# Altium PCB Main_Board.PcbDoc (part 1 of 3)
Units mil, origin at the board's own origin, x right, y up, seen from the top; angles counter-clockwise.
Board outline 4645.67 x 5570.87 mil, 4 copper layers (Top Layer, Layer 1, Layer 4, Bottom Layer), stack 23.756 mil thick; 249 components, 164 nets, 753 pads, 452 vias.
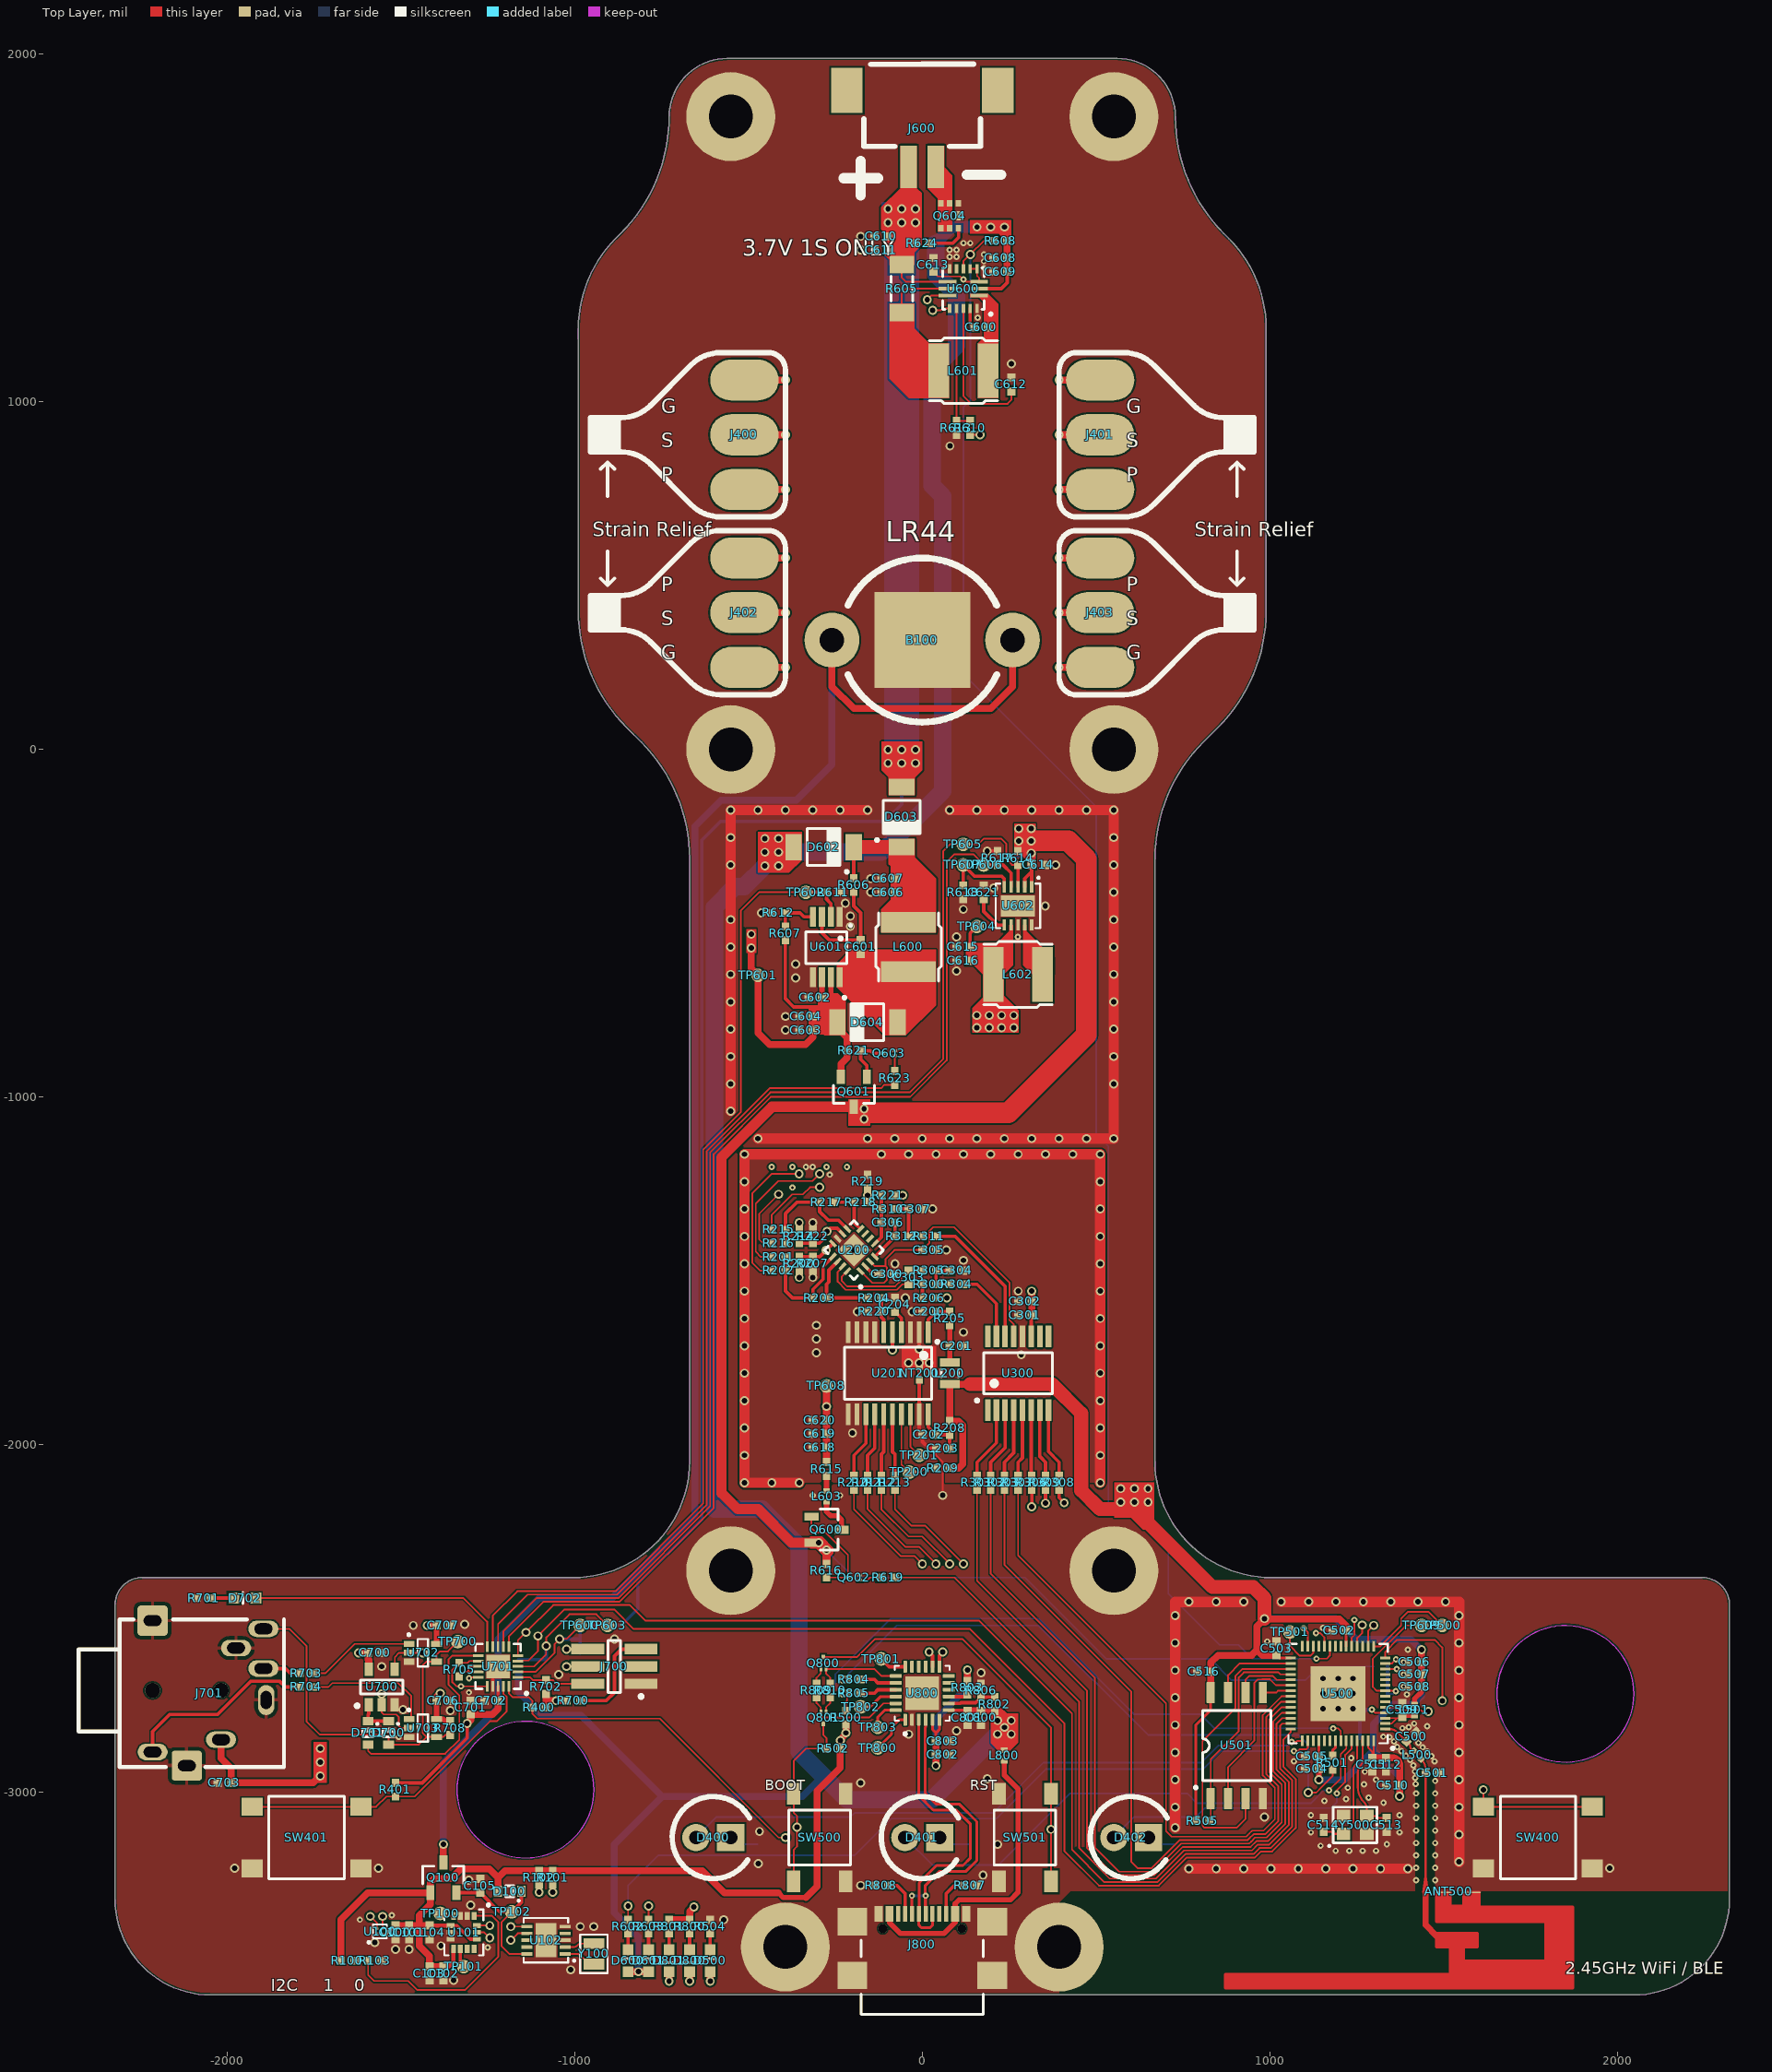
[diagram p0: Top Layer view]
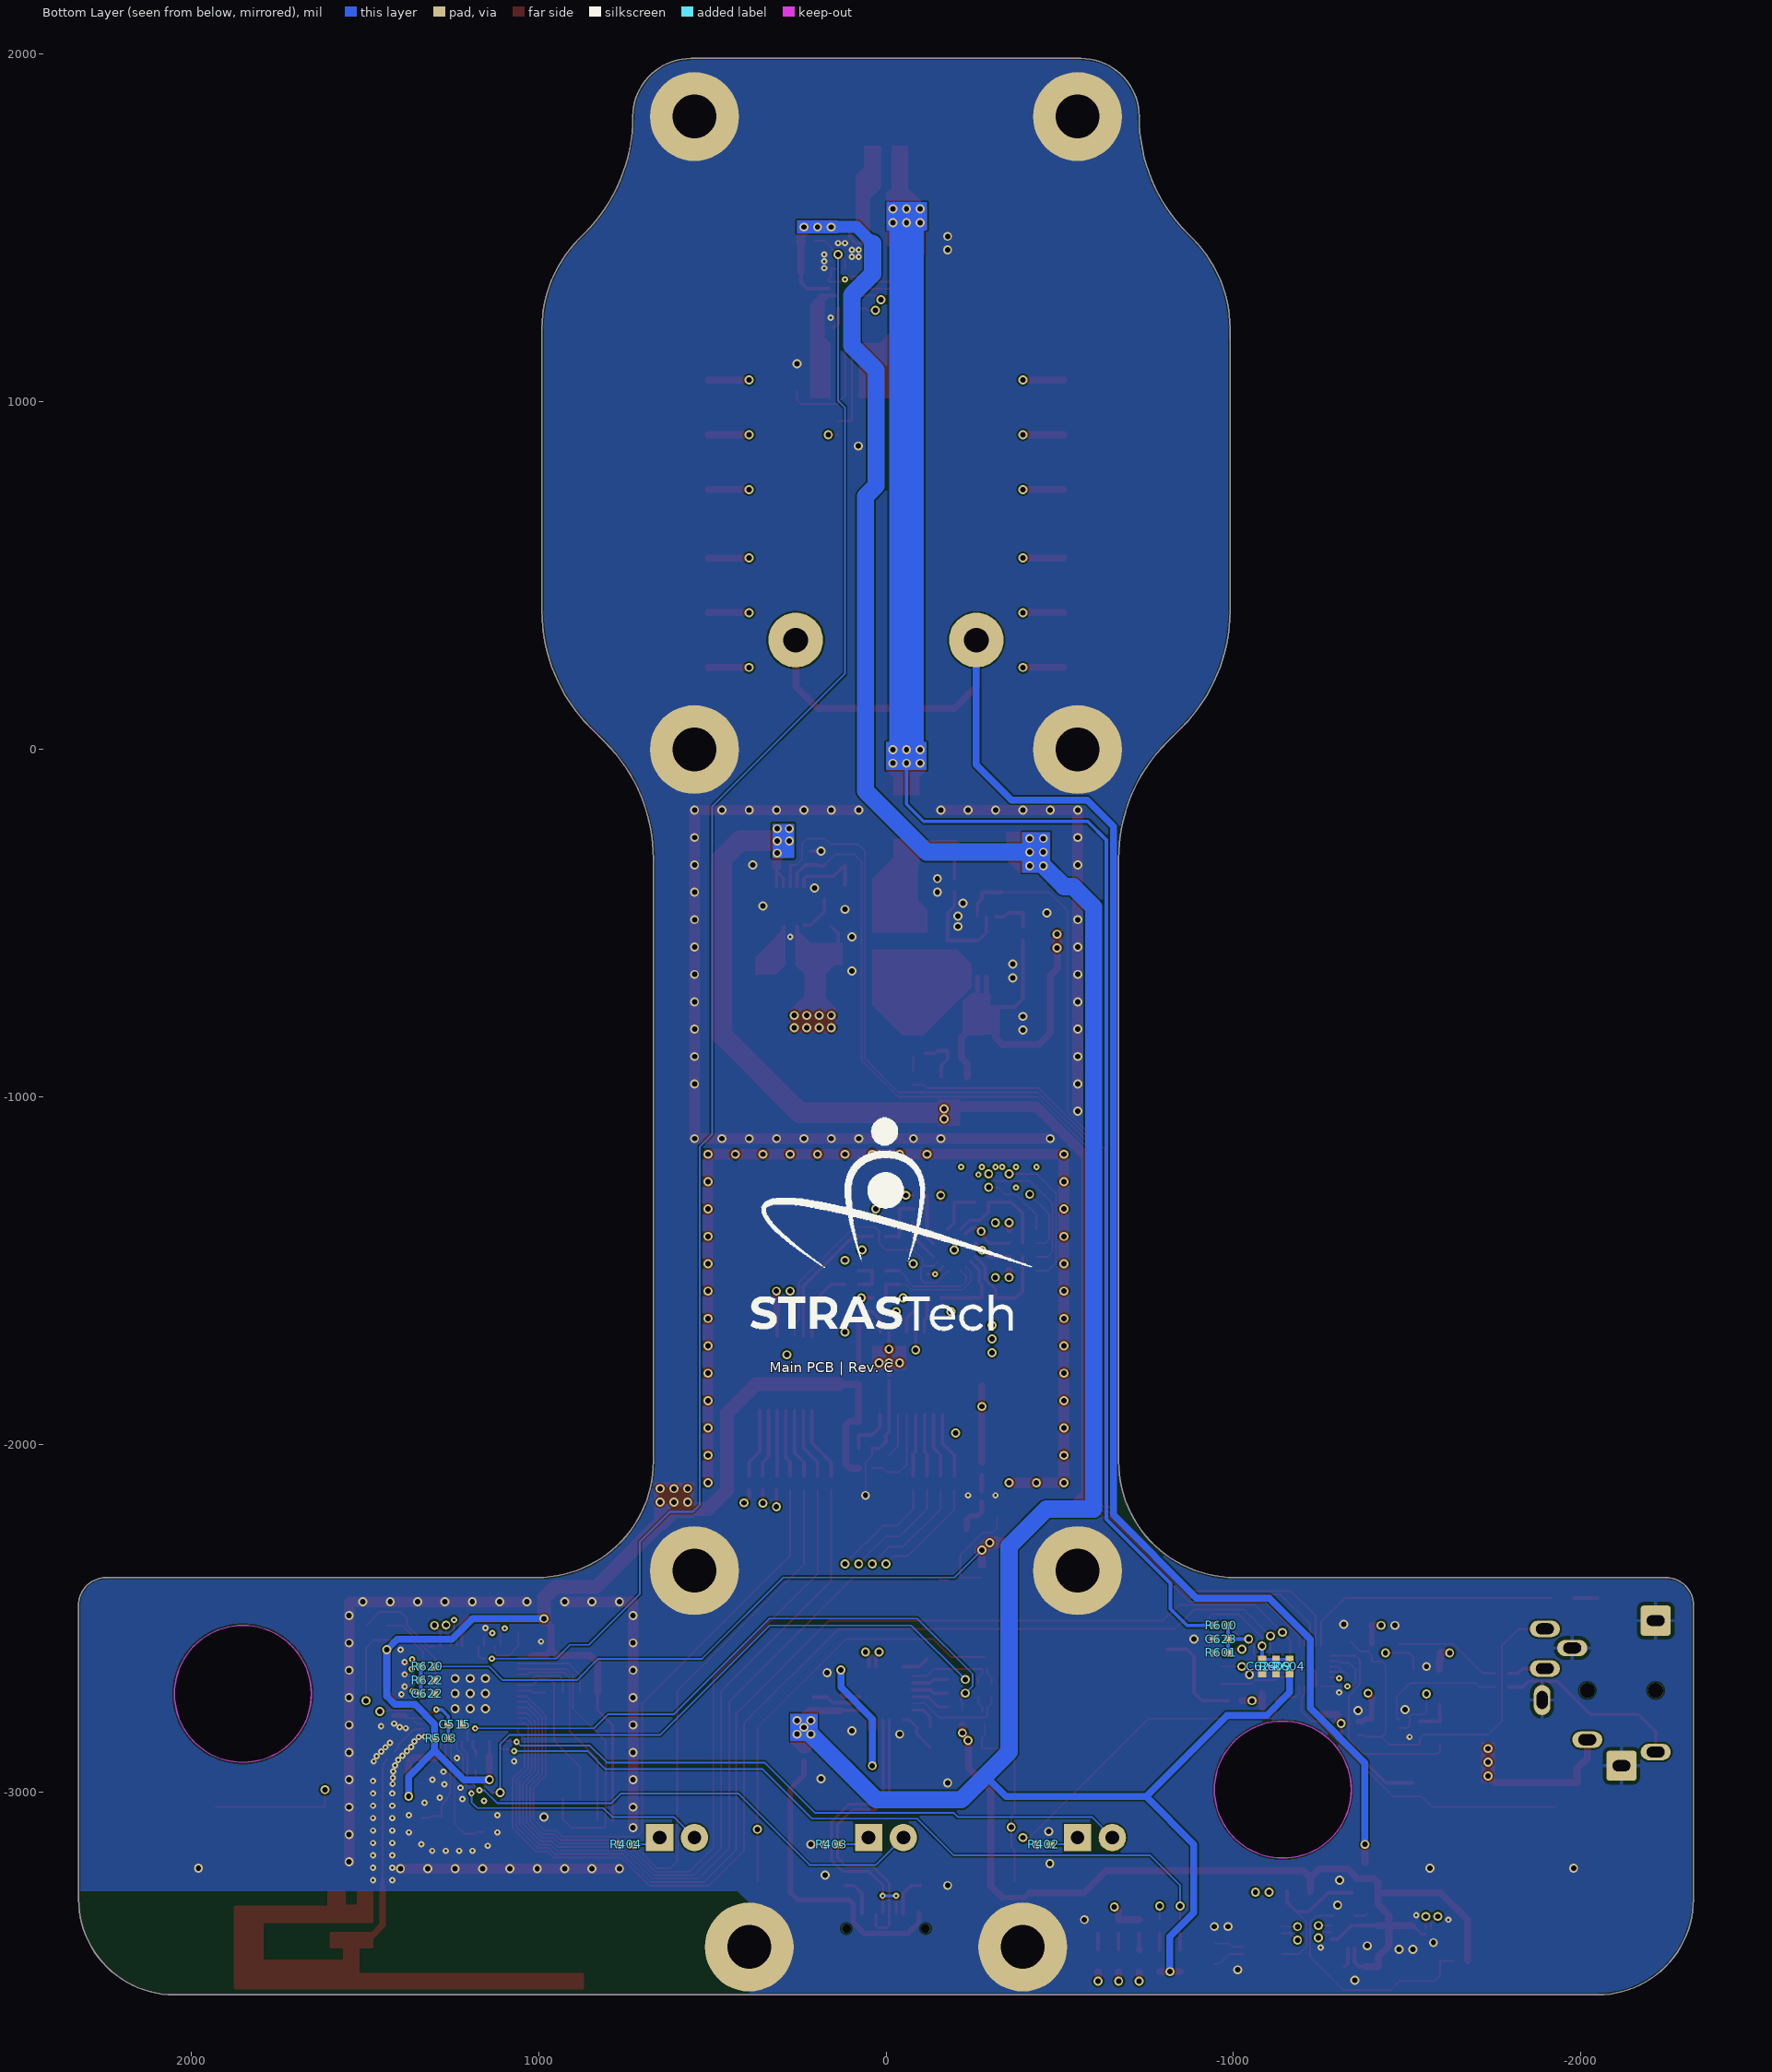
[diagram p1: Bottom Layer view, seen from below]
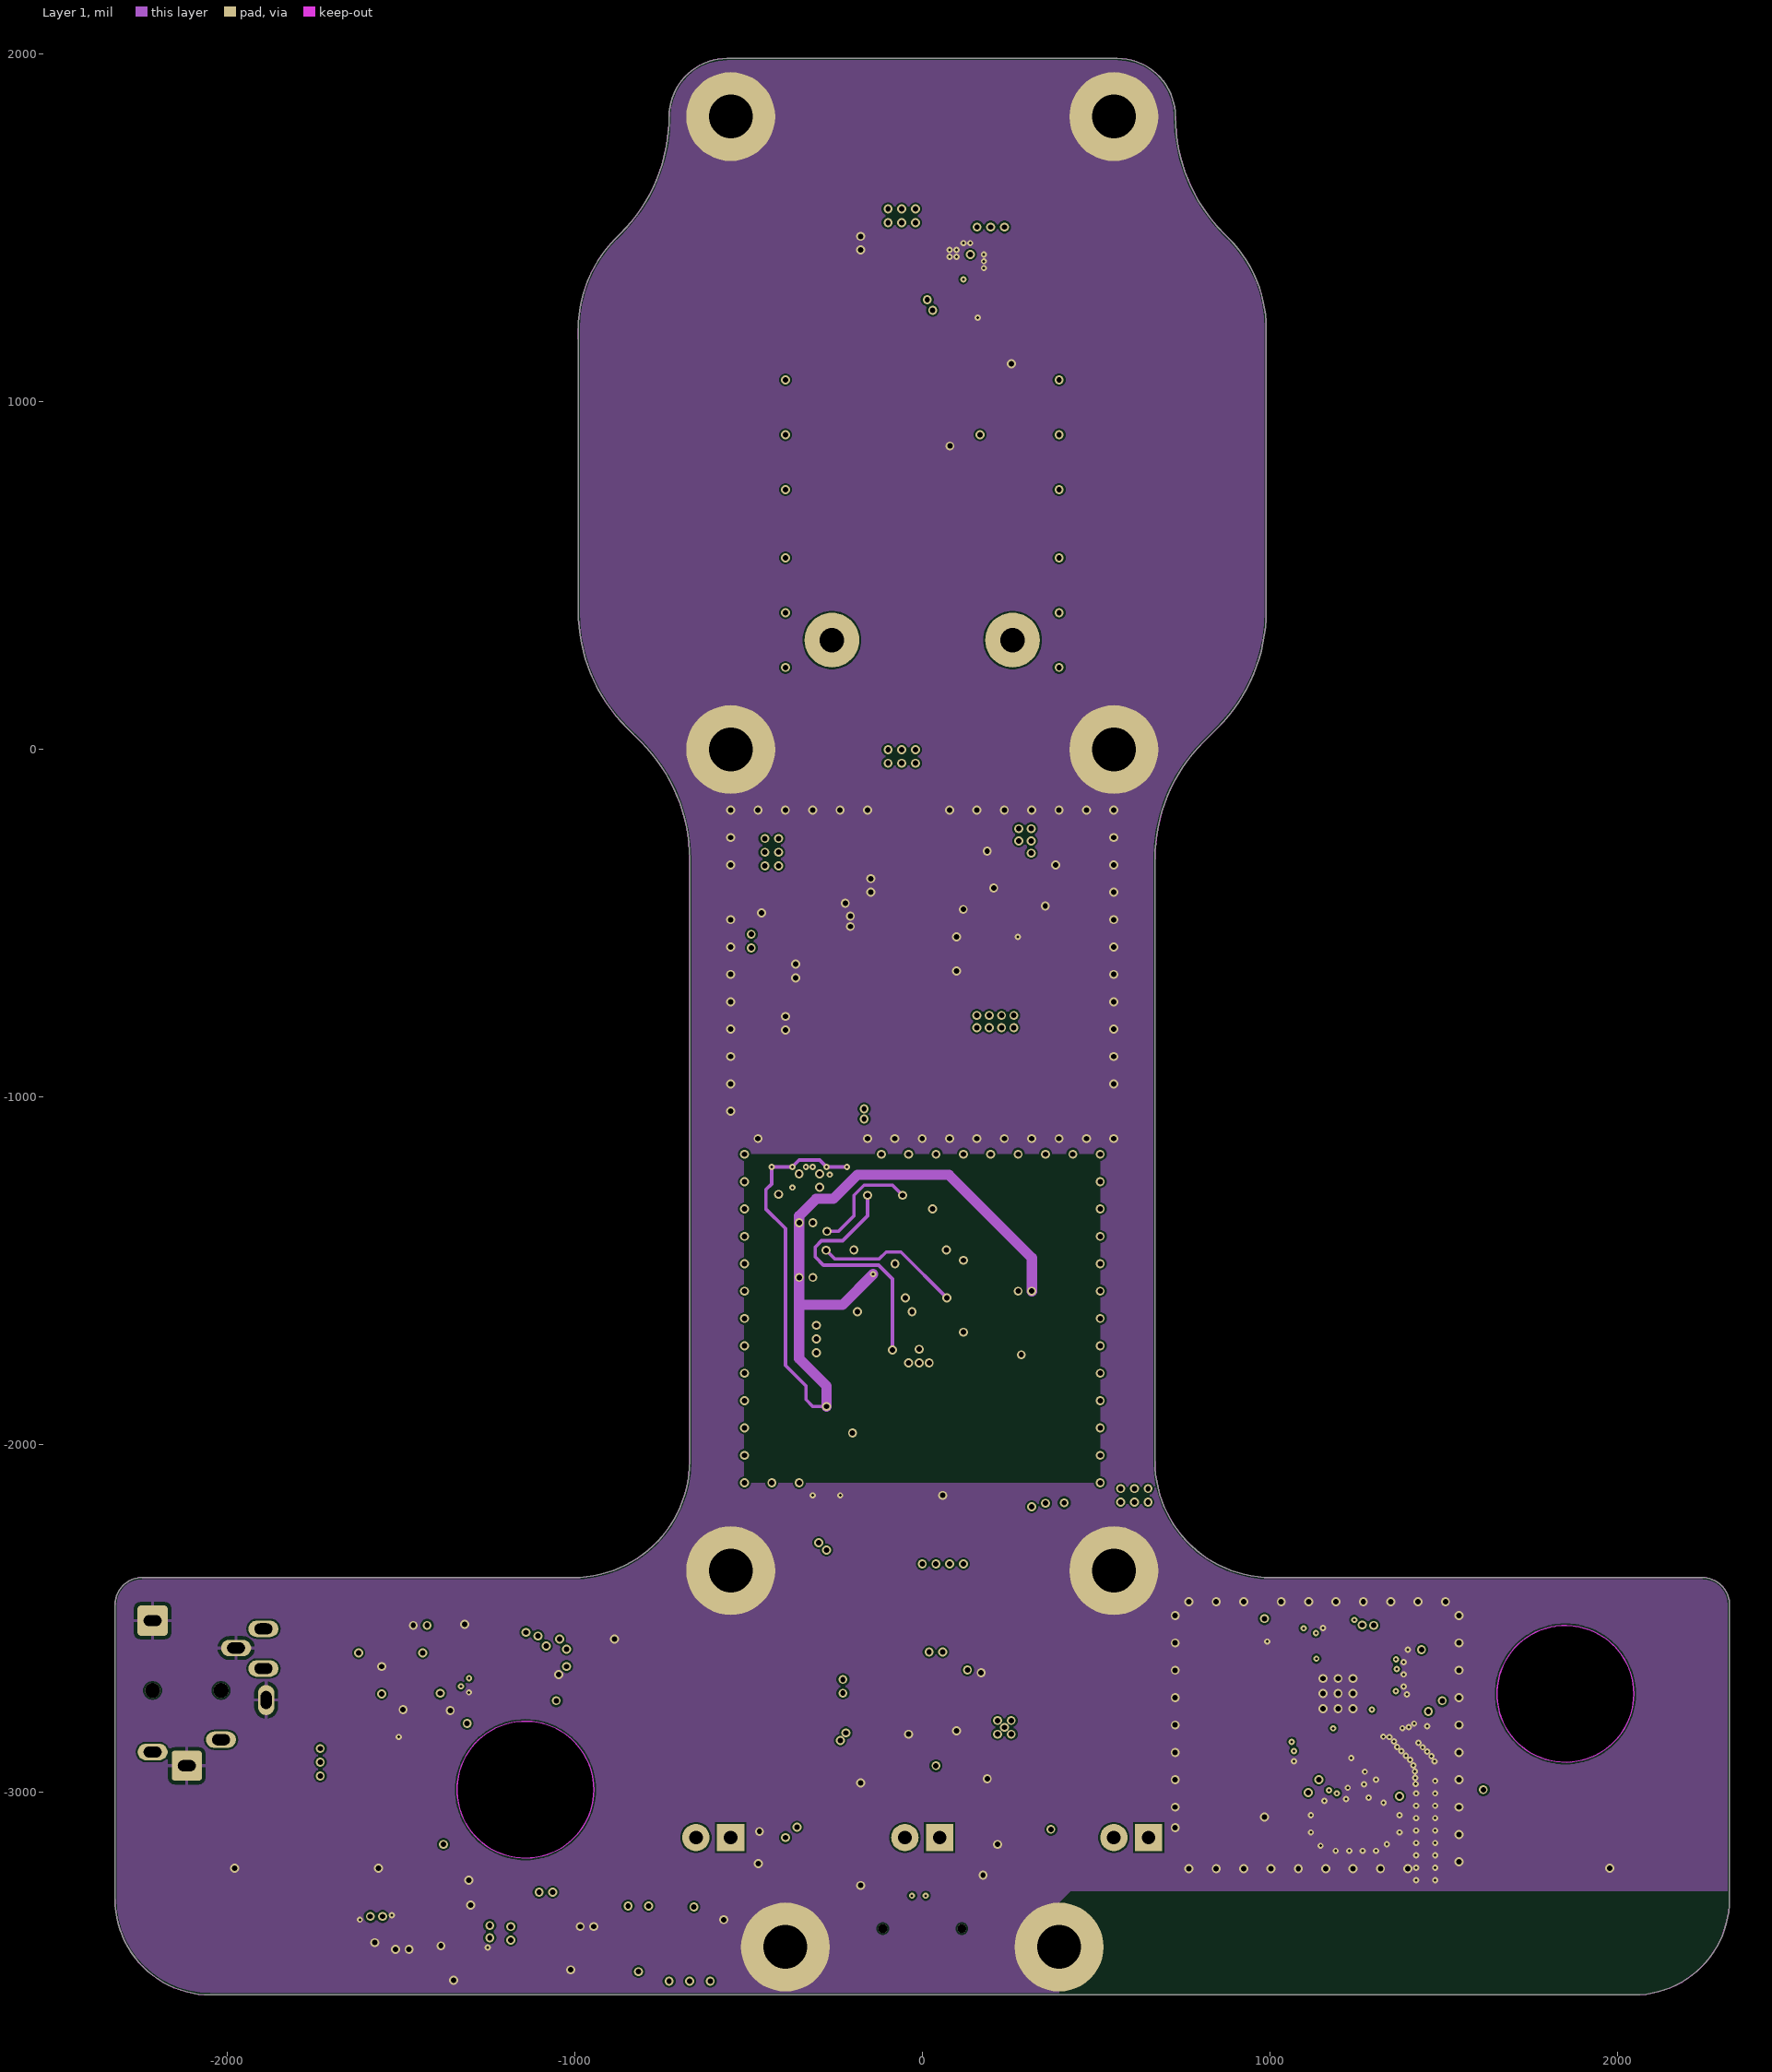
[diagram p2: Layer 1]